# Altium PCB PCB.PcbDoc (part 1 of 4)
Units mil, origin at the board's own origin, x right, y up, seen from the top; angles counter-clockwise.
Board outline 3543.31 x 3543.31 mil, 6 copper layers (Component Side, Top GND, Dummy Layer, Fast Signals, Bottom GND, Solder Side), stack 58.819 mil thick; 209 components, 240 nets, 1195 pads, 663 vias.
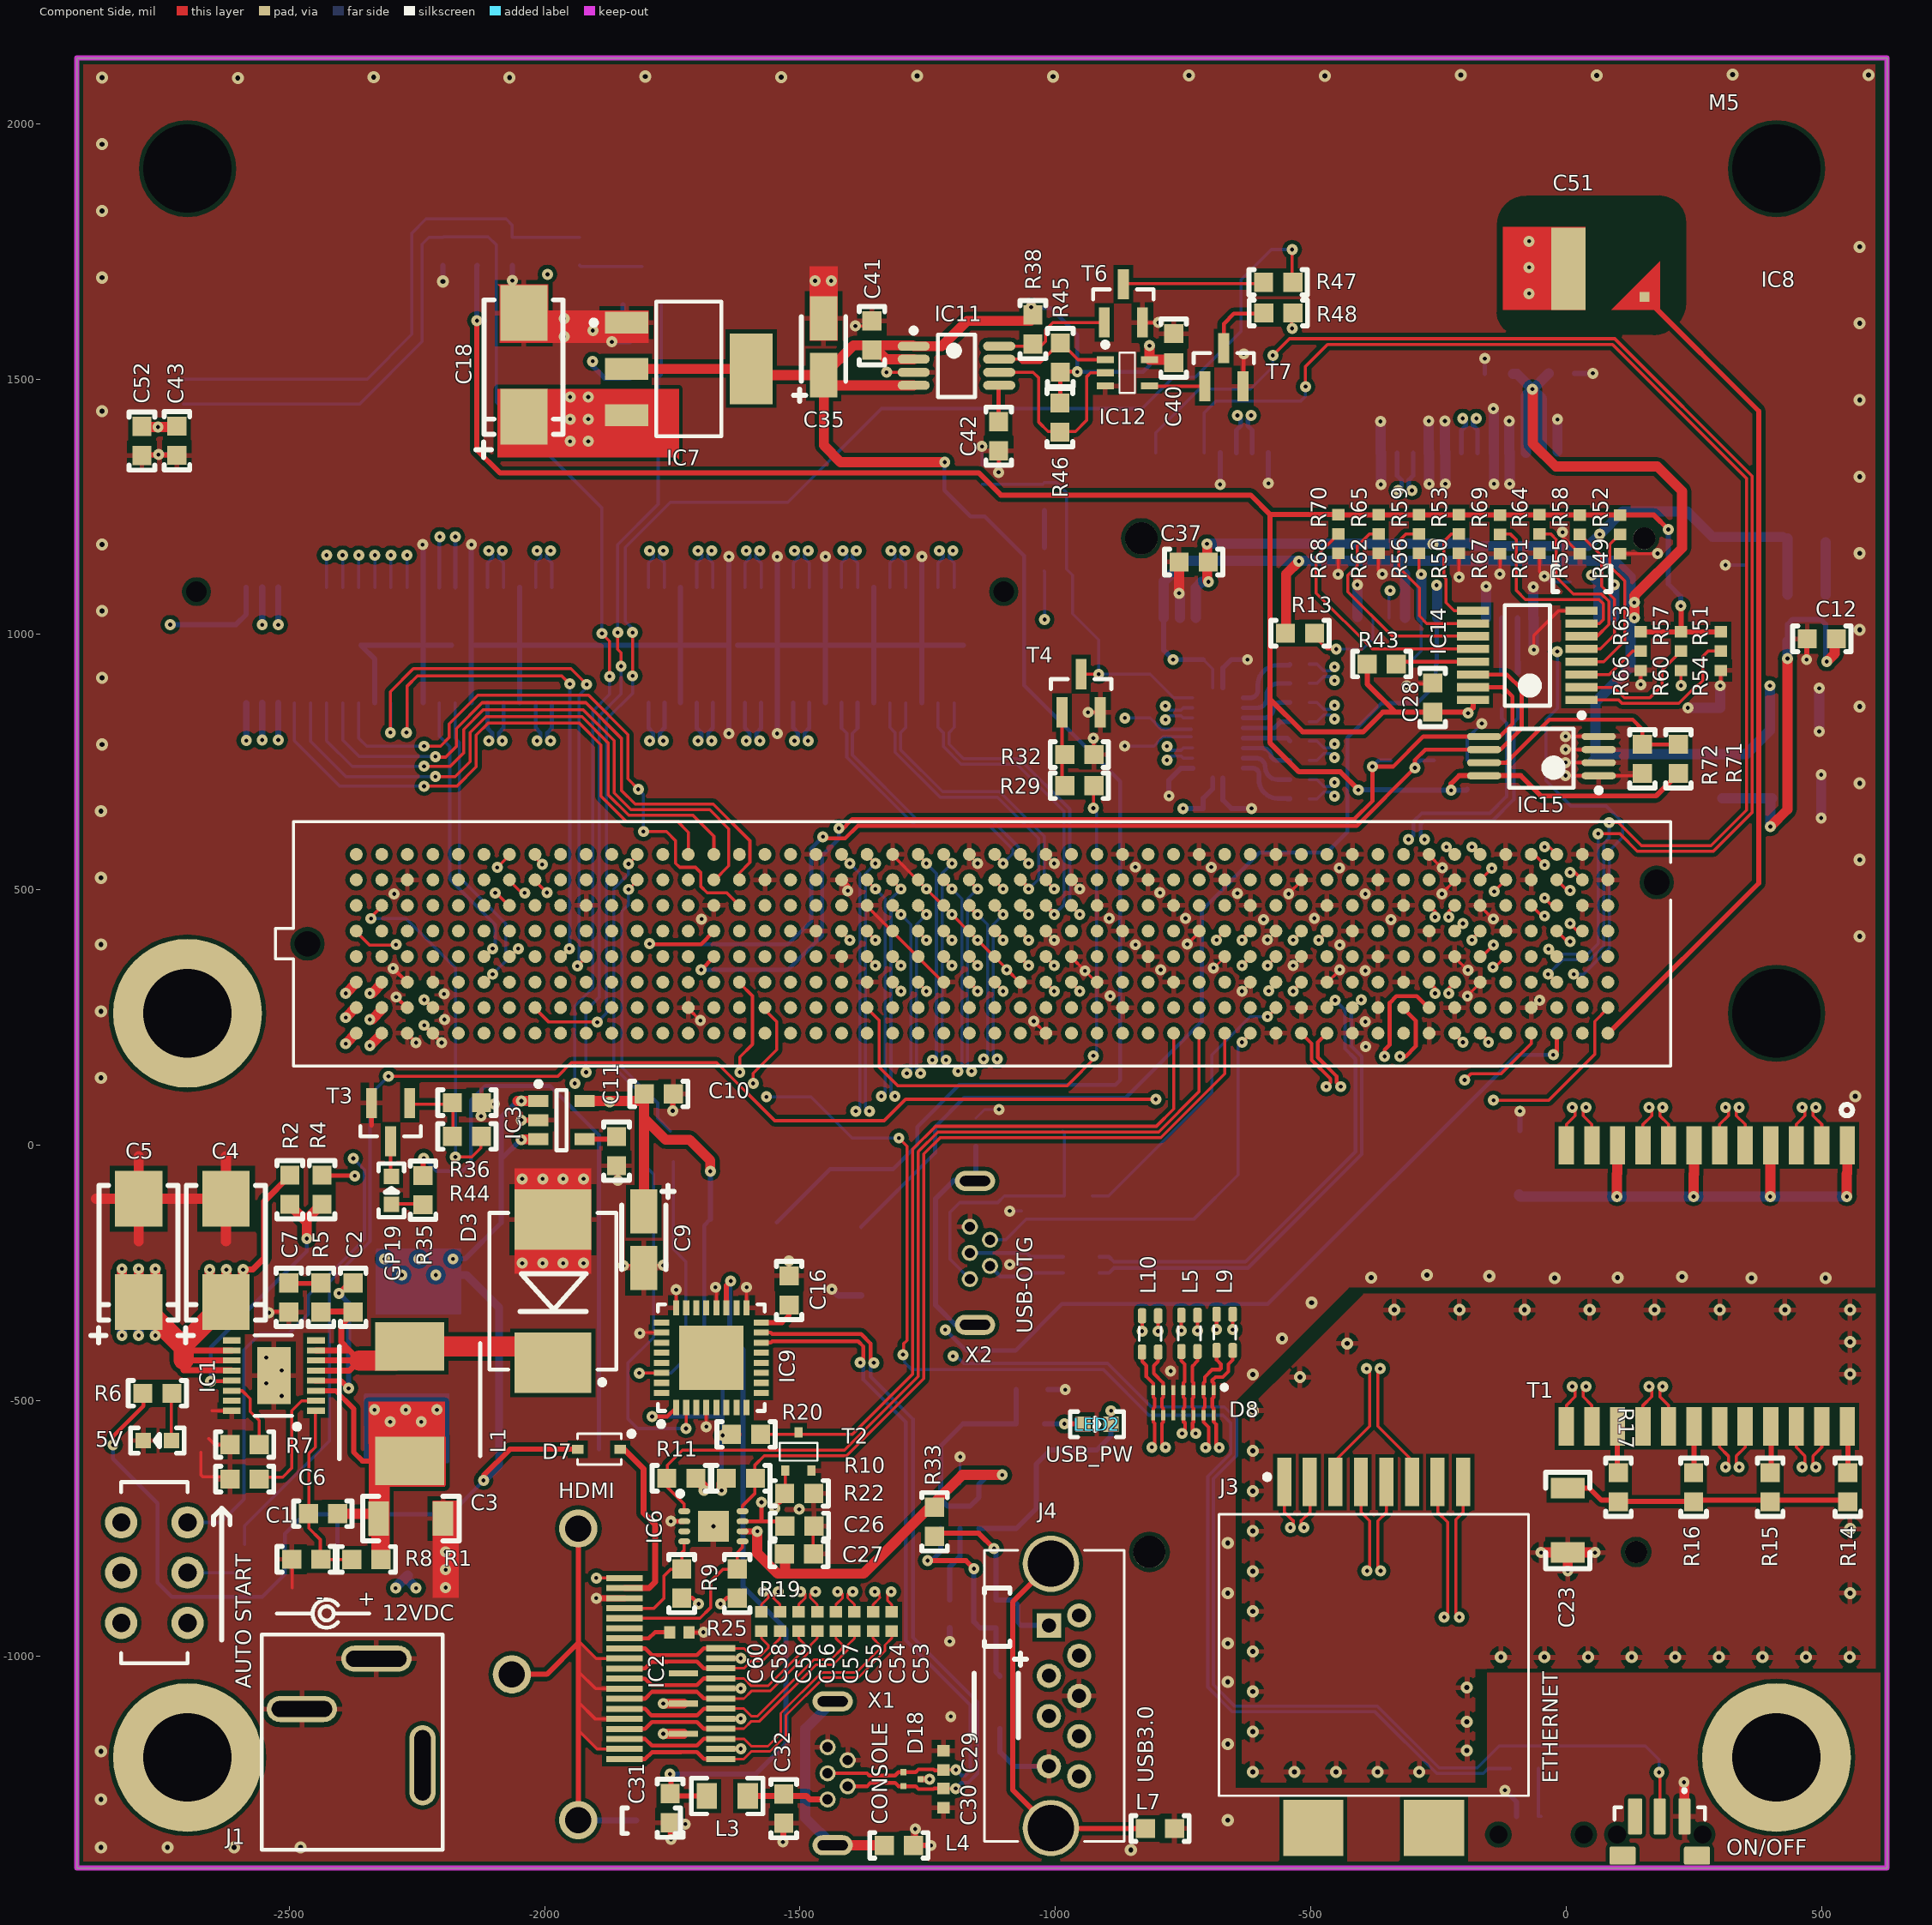
[diagram p0: Component Side view]
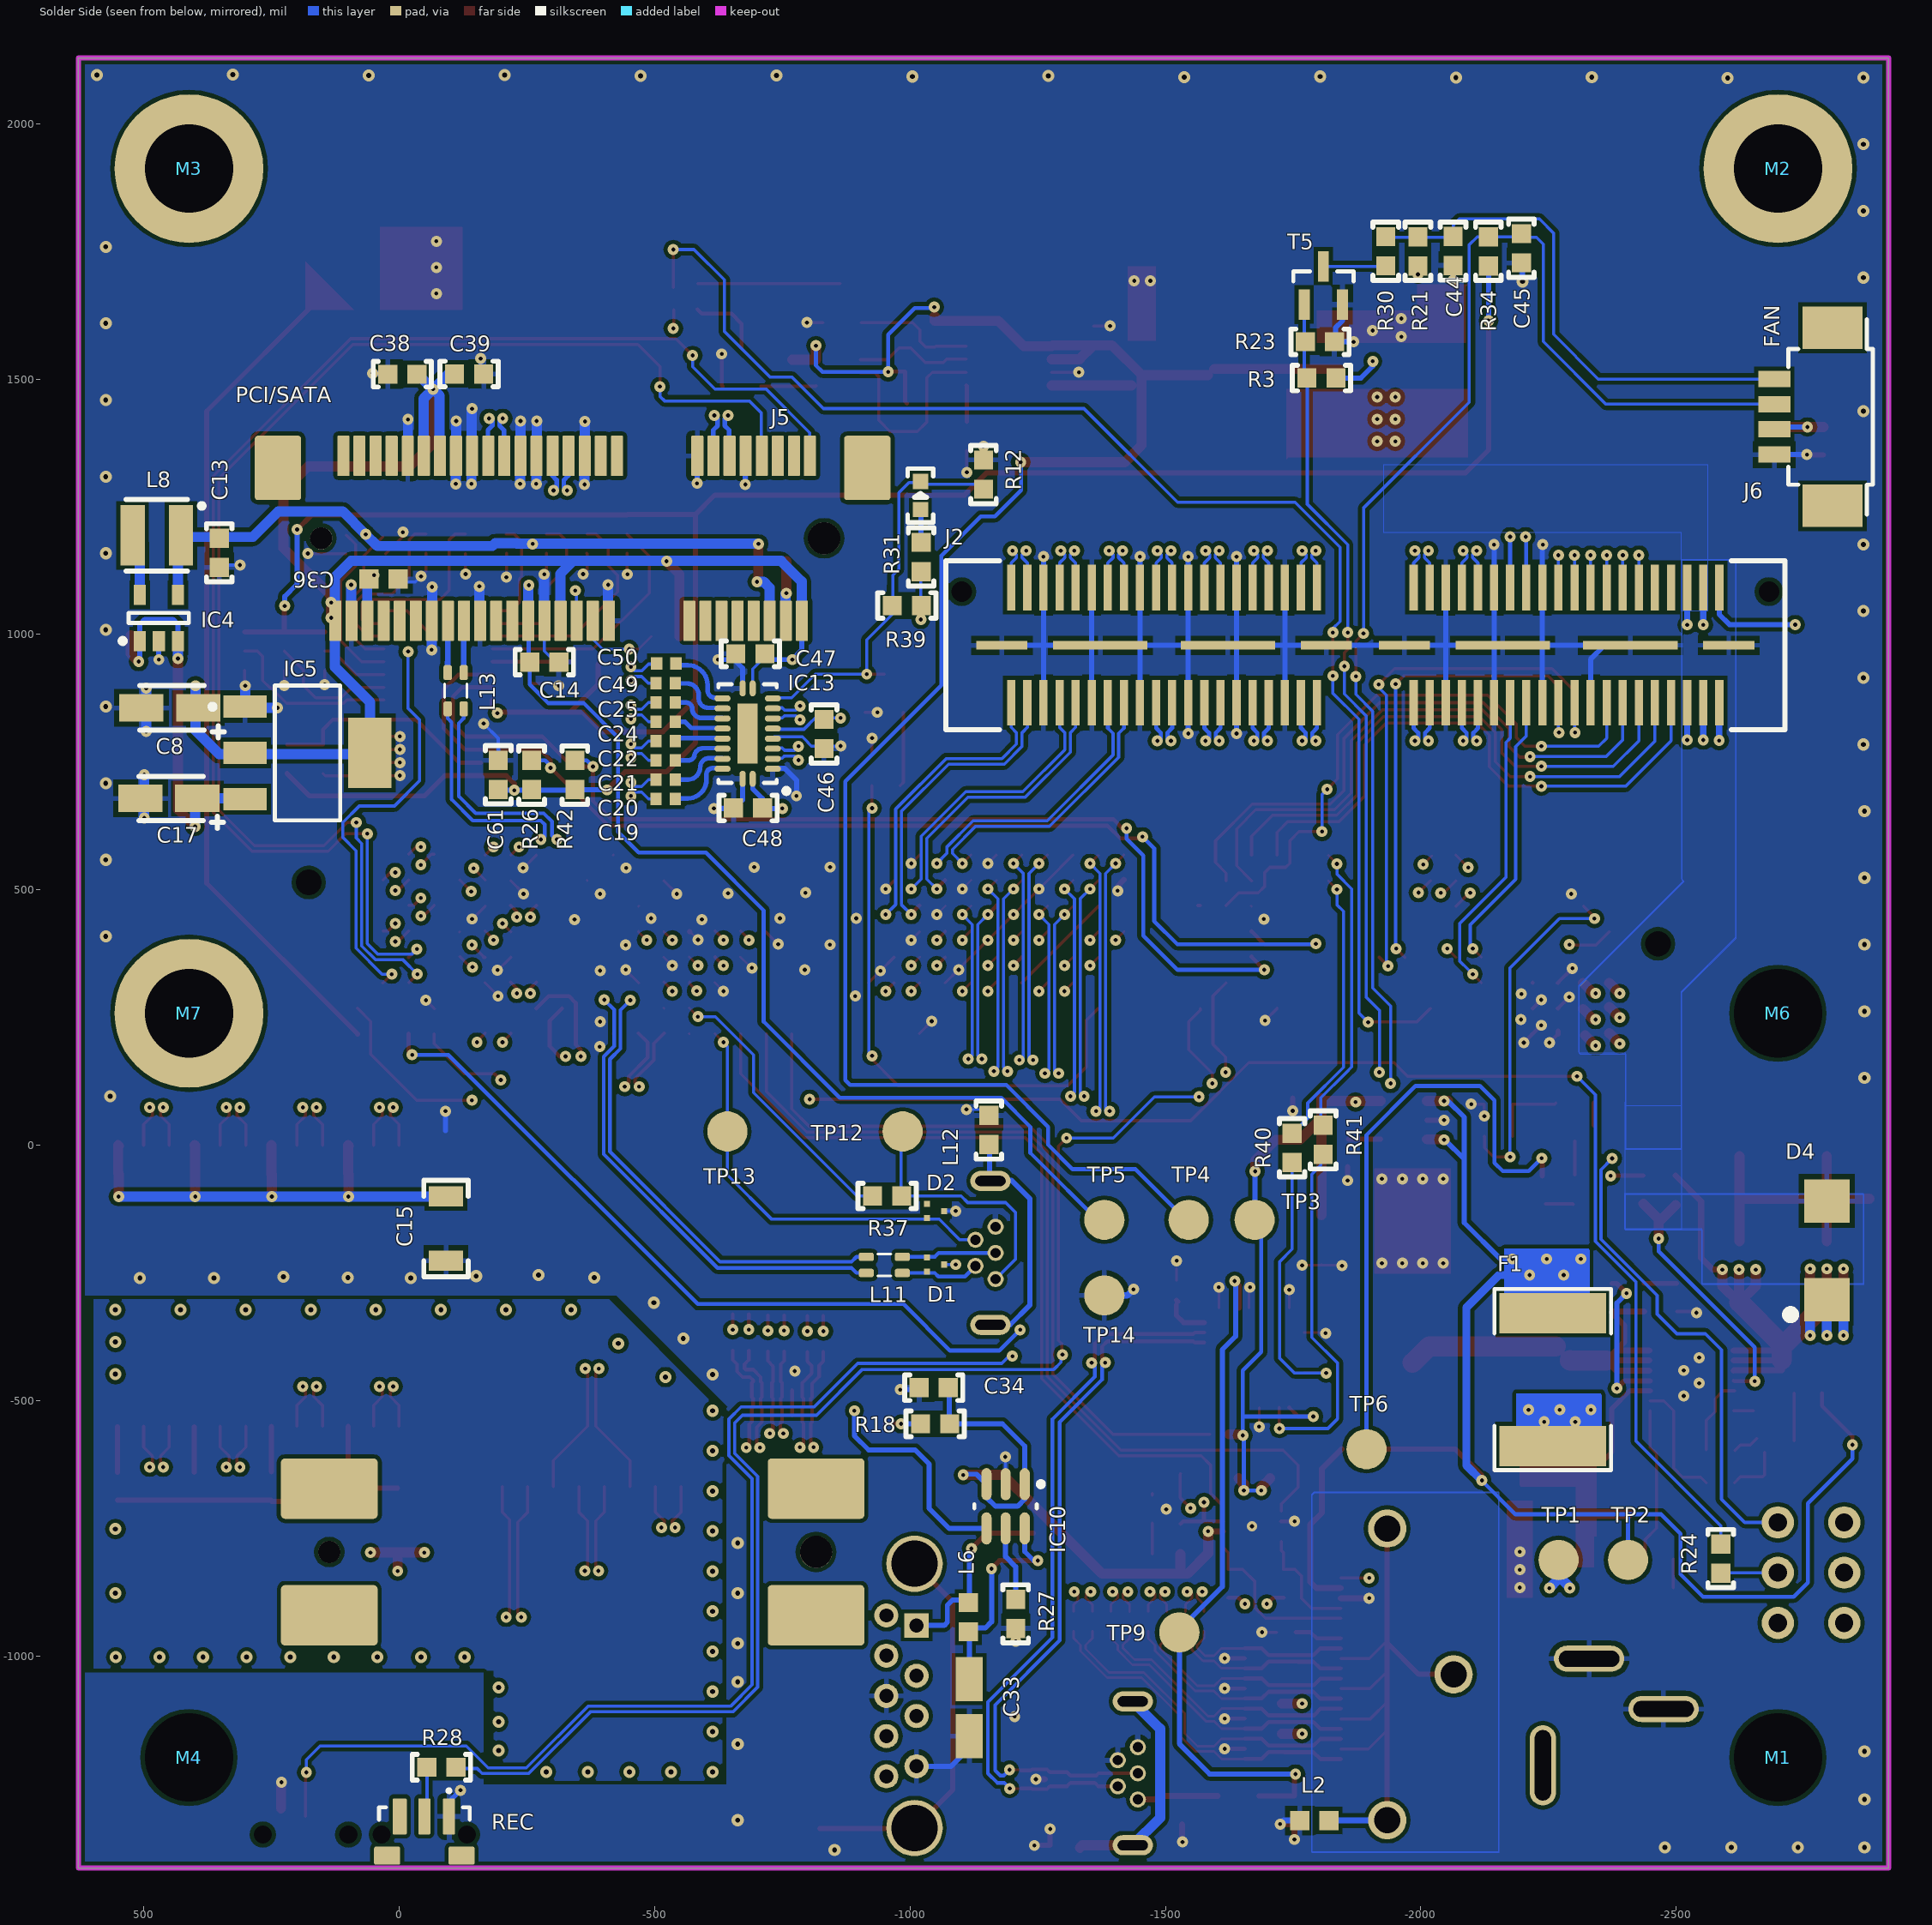
[diagram p1: Solder Side view, seen from below]
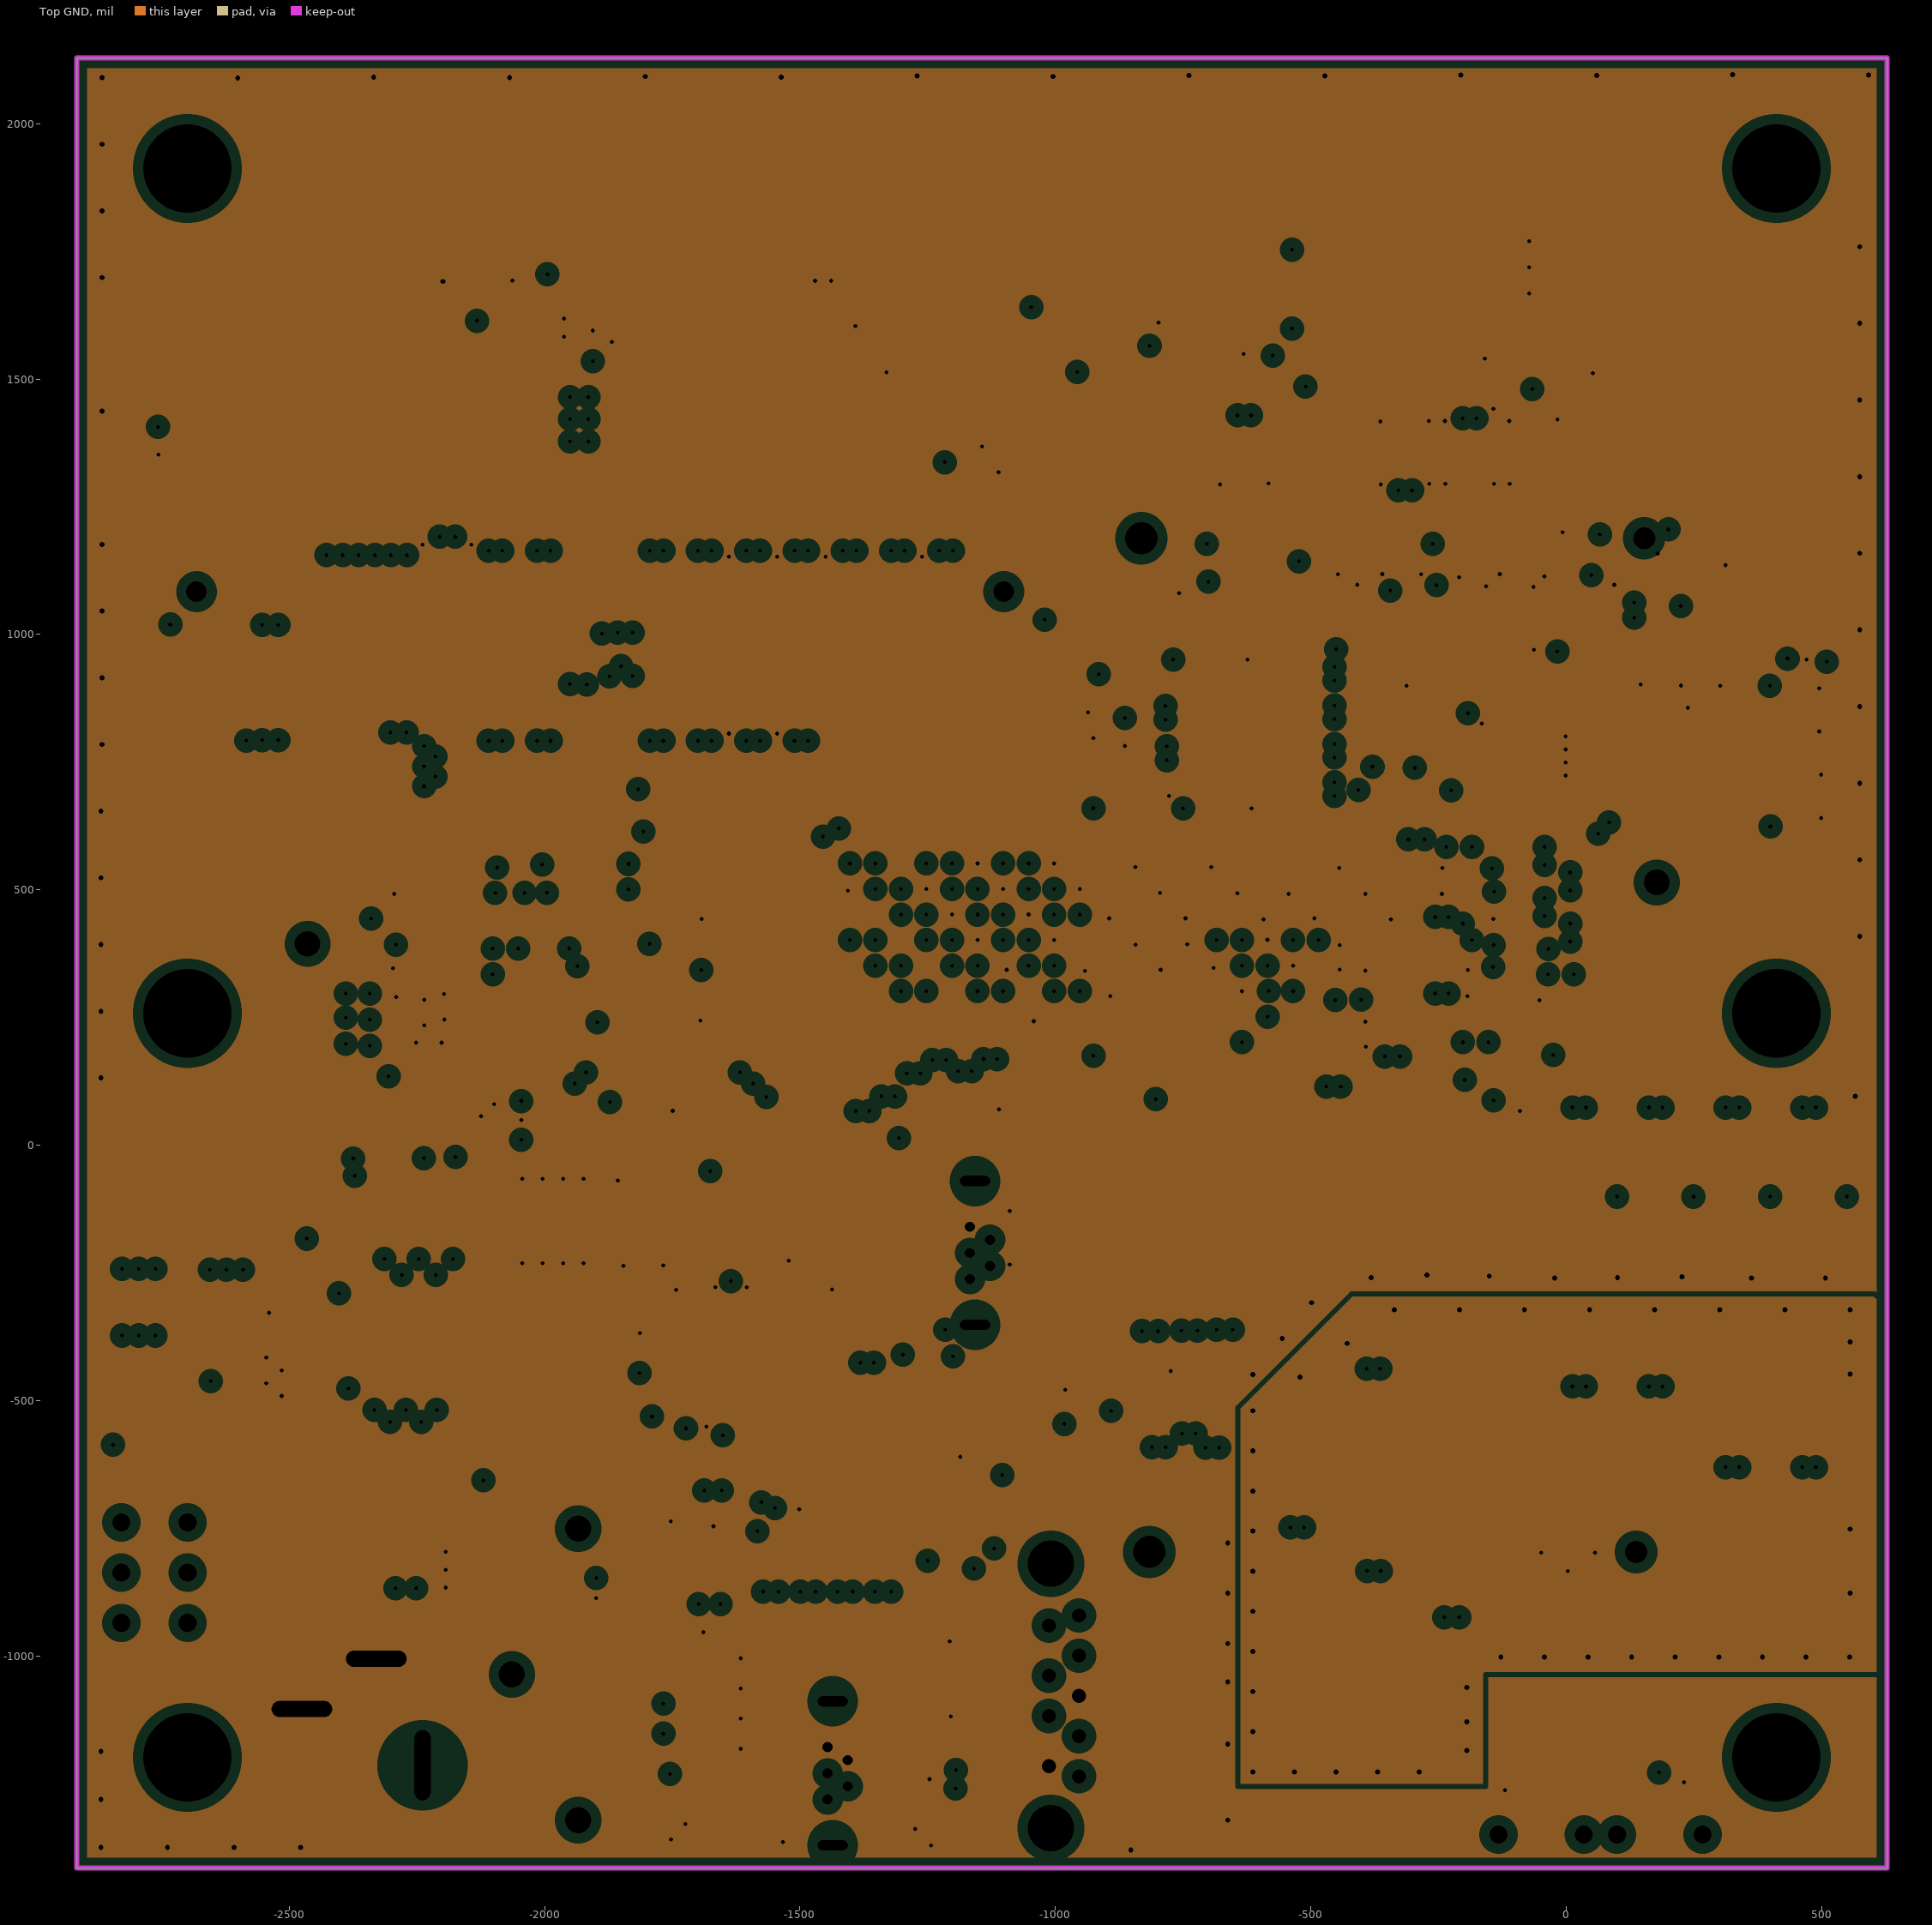
[diagram p2: Top GND, clearances drawn from the general rule]
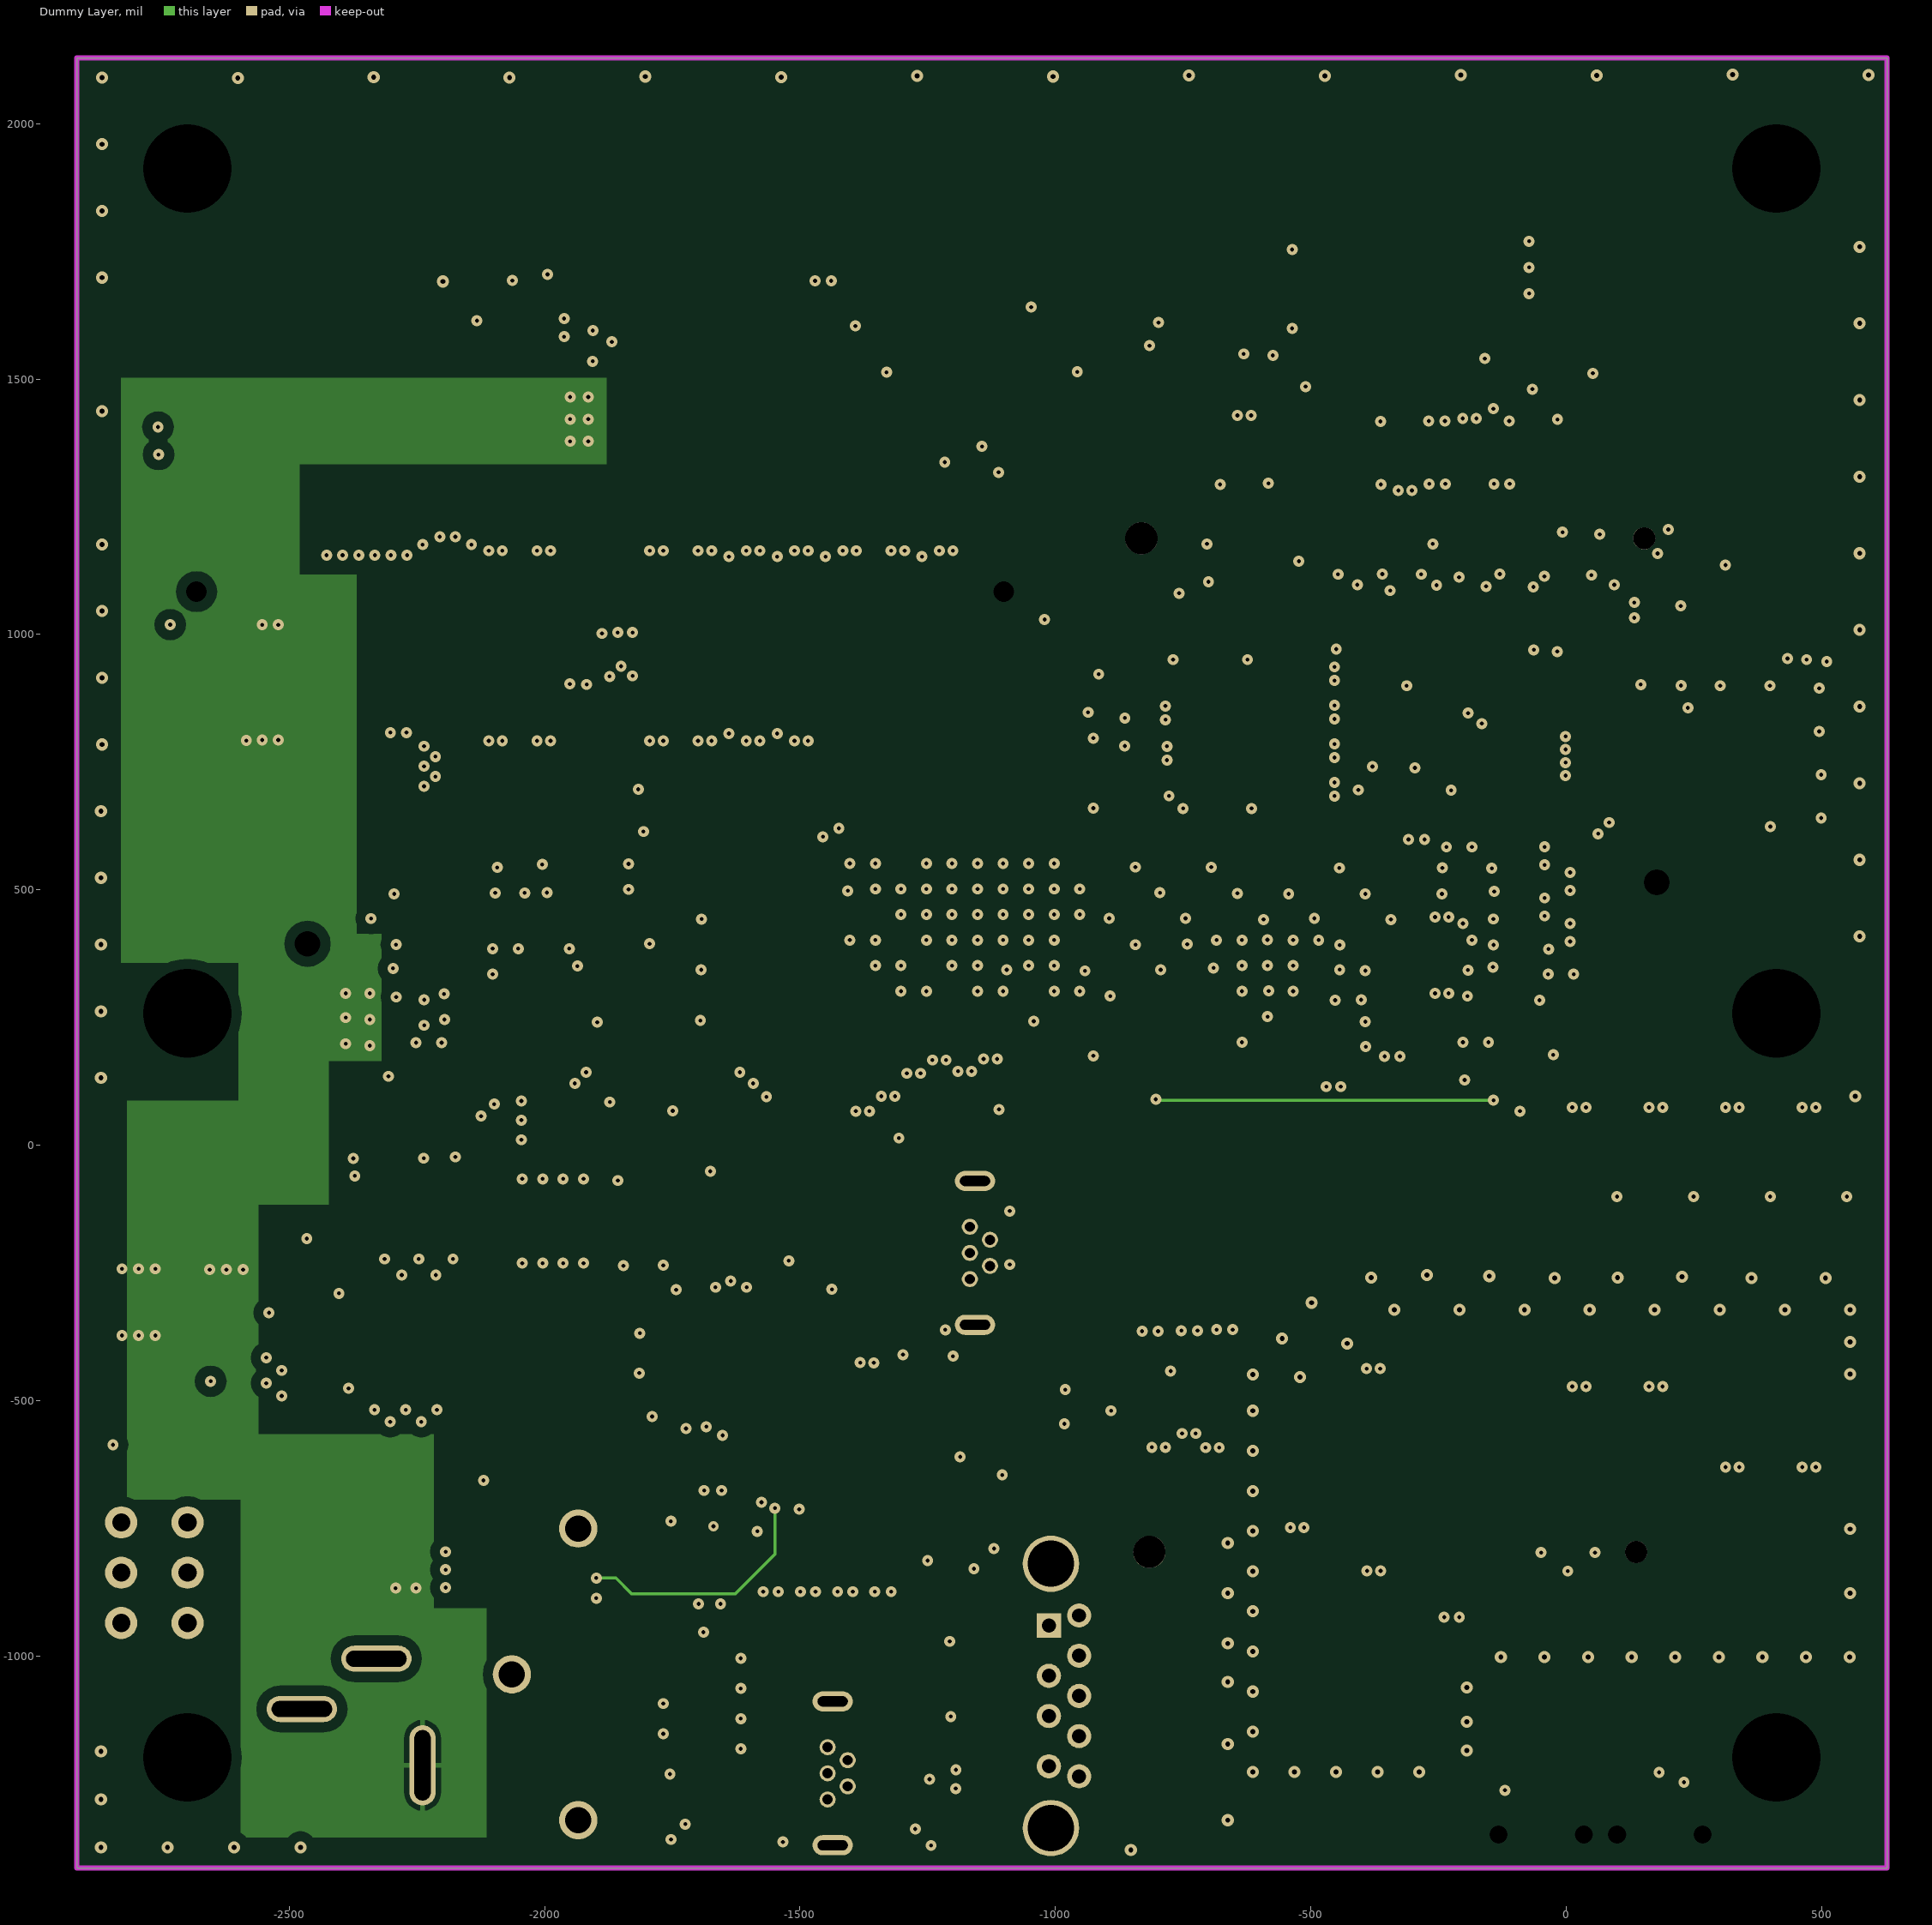
[diagram p3: Dummy Layer]